# Altium PCB AL1000.PcbDoc (part 2 of 4)
Units mil, origin at the board's own origin, x right, y up, seen from the top; angles counter-clockwise.
Board outline 8277.75 x 4143.89 mil, 4 copper layers (Component Side, Ground Plane, Power Plane, Solder Side), stack 33.234 mil thick; 499 components, 375 nets, 1599 pads, 423 vias.
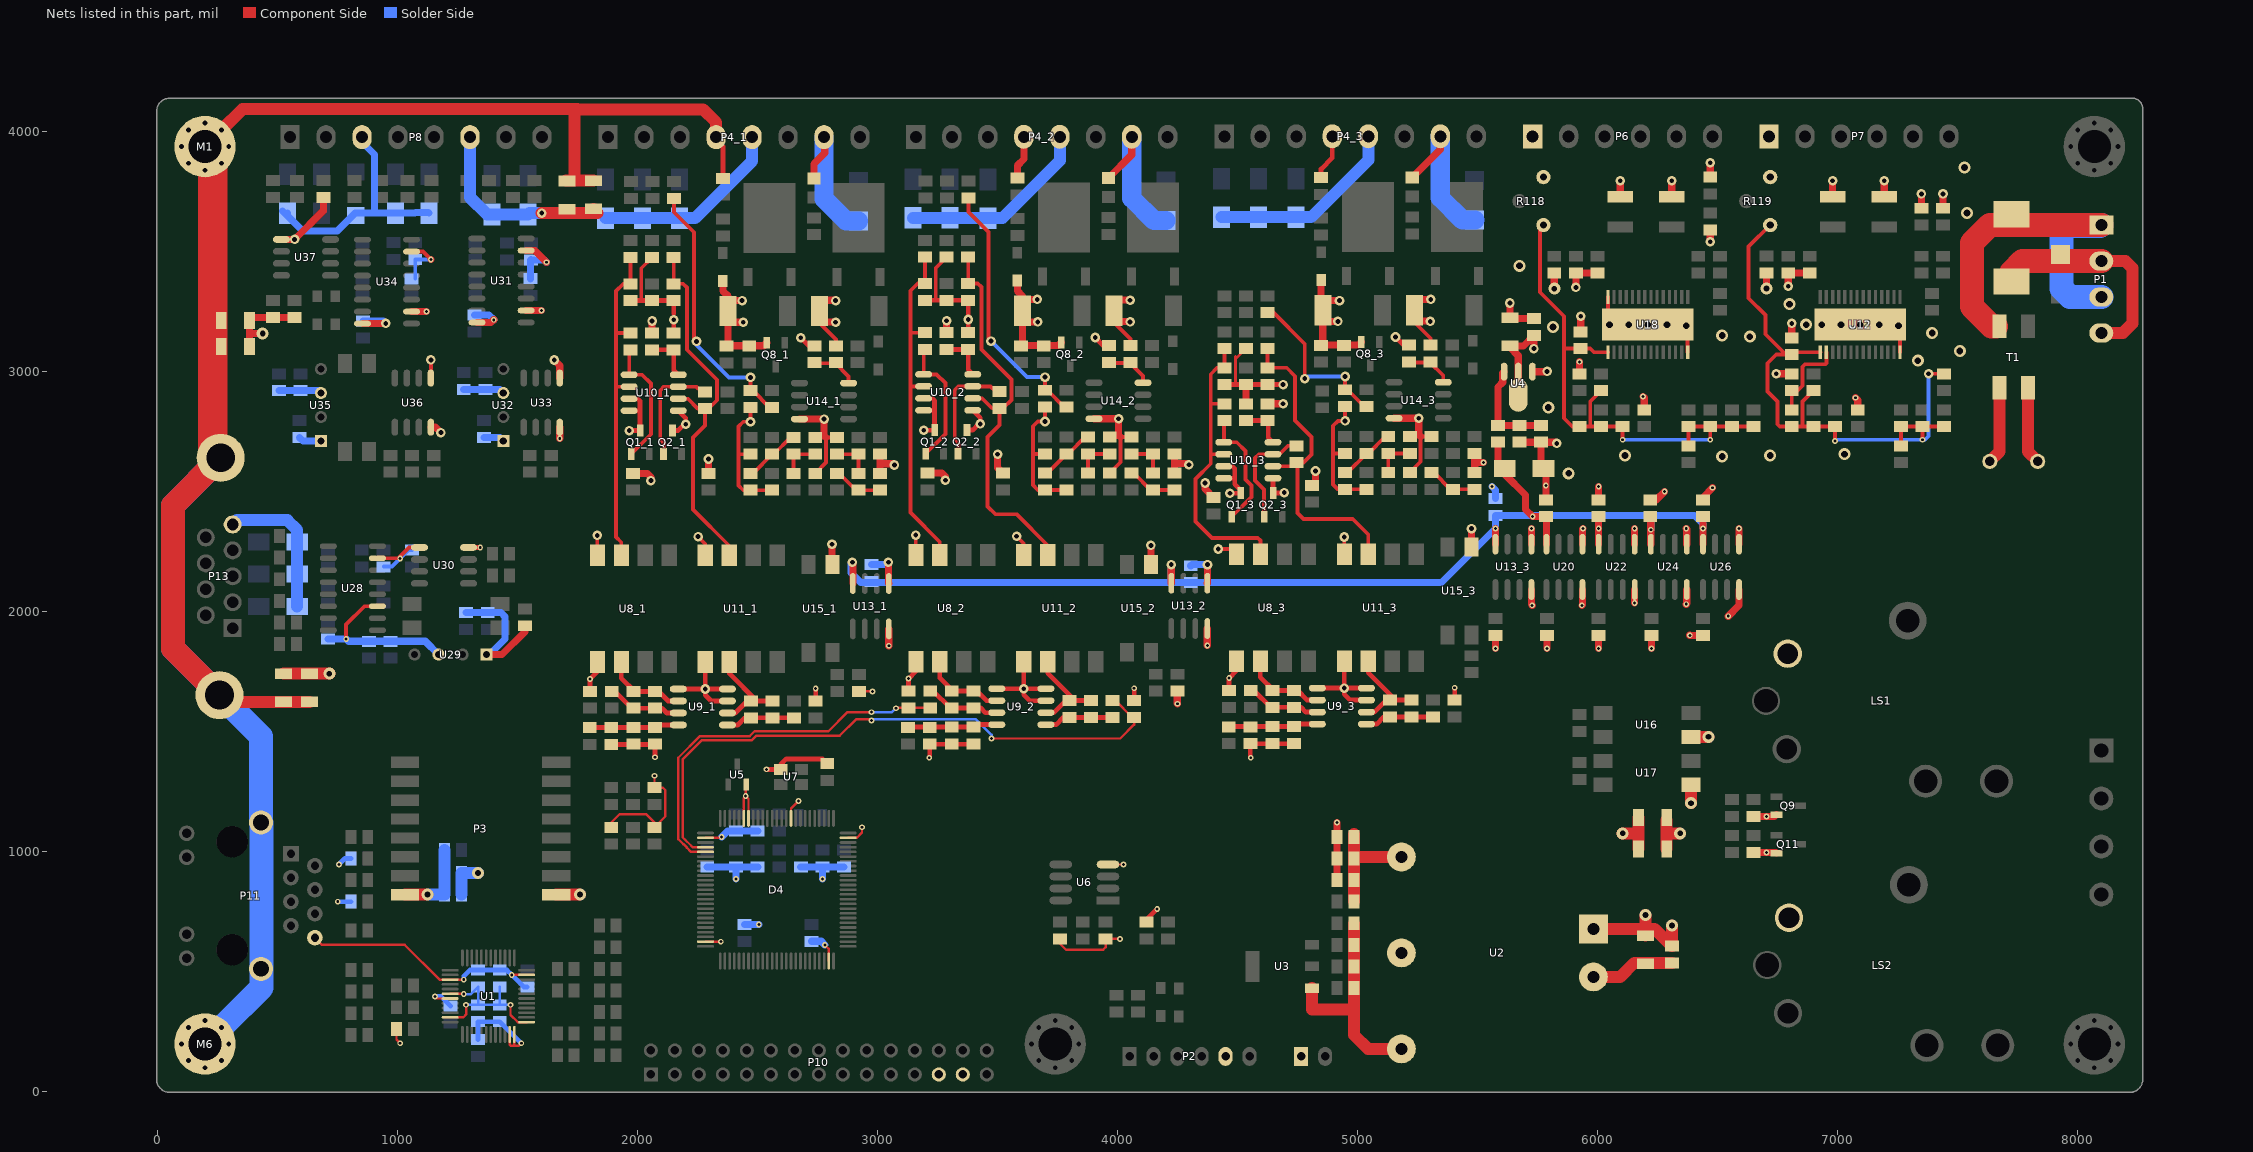
[diagram p4: the nets of this part, all layers, seen from the top]

## Part data
C1 C2 C3 C4 C5 C7 C8 C9 C14 C15 C18 C20 C22 C23 C26 C28 C31 C34 C36_1 C36_2 C36_3 C38_1 C38_2 C38_3 C39_1 C39_2 C39_3 C42_1 C42_2 C42_3 C45_1 C45_2 C45_3 C46_1 C46_2 C46_3 C47_1 C47_2 C47_3 C48_1 C48_2 C48_3 C49_1 C49_2 C49_3 C50 C51_1 C51_2 C51_3 C52_1 C52_2 C52_3 C53_1 C53_2 C53_3 C54_1 C54_2 C54_3 C55_1 C55_2 C55_3 C56_1 C56_2 C56_3 C57 C58 C59 C60 C61 C62 C63 C64 C65 C66 C67 C68 C69 C70 C71 C72 C73 C74 C75 C77 C78 C80 C82 C83 C84 C85 C86 C87 C88 C90 C92 C93 C94 C95 C96 C97 C99 C100 C102 C103 C104 C105 C106 C107 C108 C109 C110 C111 C116: library part "0805 100nF(104) 10% 50V", "贴片电容"
C6 C12 C13 C17 C19 C21 C25 C27 C33 C76 C79 C89 C101: library part "0805 10uF (106) 10% 25V", "贴片电容"
C10 C81 C91 C98: library part Cap, "Capacitor"
C11: library part CD1, "Electrolytic Capacitor"
C16 C24 C37_1 C37_2 C37_3: library part "1206 10uF (106) 10% 50V", "贴片电容"
C29 C30 C35_1 C35_2 C35_3 C40_1 C40_2 C40_3 C43_1 C43_2 C43_3 C44_1 C44_2 C44_3: library part CAP, "Capacitor"
C32: library part G-CC41-0805-CG-50V-300J, "多层瓷介电容"
C41_1 C41_2 C41_3 C112 C113 C114 C115: library part CC, "Capacitor"
D1: library part "SMA(DO-214AC) SS54", "二极管"
D2 D3 D8_1 D8_2 D8_3 D9_1 D9_2 D9_3 D10_1 D10_2 D10_3: library part TVS
D4: library part BARRACUDA_256K
D5 D6 D26 D28: library part Diode, "Default Diode"
D7_1 D7_2 D7_3: library part "SMA(DO-214AC) M7", "二极管"
D11_1 D11_2 D11_3 D13_1 D13_2 D13_3 D25 D27: library part "0805 红灯", "发光二极管"
D12_1 D12_2 D12_3 D14_1 D14_2 D14_3: library part "D Zener", "Zener Diode"
D15 D16 D17 D18 D19 D20 D21 D22 D23 D24: library part "Bidirectional DIODE TVS", "1V5KE6V8CA"
L1 L2 L3 L4 L5_1 L5_2 L5_3 L6_1 L6_2 L6_3 L8_1 L8_2 L8_3 L9_1 L9_2 L9_3 L11 L12 L13 L14 L15 L16 L17: library part L1
M1 M3 M4 M5 M6: "Header, 9-Pin"
P1: library part "Header 4", "Header, 4-Pin"
P2 P6 P7: library part "Header 6", "Header, 6-Pin"
P3: library part "Header 8X2", "Header, 8-Pin, Dual row"
P4_1 P4_2 P4_3 P8: library part "Header 8", "Header, 8-Pin"
P5: library part "Header 4H", "Header, 4-Pin, Right Angle"
P10: "Header, 15-Pin, Dual row"
P11: library part J0011D21B
P12: library part "Header 2", "Header, 2-Pin"
P13: library part DB9
Q1_1 Q1_2 Q1_3 Q2_1 Q2_2 Q2_3 Q8_1 Q8_2 Q8_3 Q9 Q11: library part "SOT-23 MMBT5401 2L", "三极管"
Q4_1 Q4_2 Q4_3 Q7_1 Q7_2 Q7_3: "HEXFET Power MOSFET"
R1 R2 R3 R4 R5 R6 R7 R8 R9 R10 R11 R12 R13 R14 R15 R16 R17 R18 R19 R20 R21 R22 R23 R24 R26 R27 R28 R45 R50 R52 R68 R69 R70 R71 R72 R73 R74 R75 R76 R77 R78 R79 R80 R81 R82 R83 R84 R85 R86 R87 R88 R89 R90 R91 R92 R93 R94 R95 R96 R97 R98 R99 R100 R101 R102 R103 R104 R105 R106 R107 R108 R109 R110 R111 R112 R113 R114 R115 R116 R117 R120 R121 R122 R123 R124: library part Res1, "Resistor"
R25 R30: library part res1, "Resistor"
R29 R31 R32 R51_1 R51_2 R51_3 R55 R66_1 R66_2 R66_3: library part RMK2012KBxxx（10～1M）F, "贴片电阻"
R33_1 R33_2 R33_3 R34_1 R34_2 R34_3 R35_1 R35_2 R35_3 R36_1 R36_2 R36_3 R37_1 R37_2 R37_3 R38_1 R38_2 R38_3 R39_1 R39_2 R39_3 R40_1 R40_2 R40_3 R41_1 R41_2 R41_3 R42_1 R42_2 R42_3 R43_1 R43_2 R43_3 R62_1 R62_2 R62_3 R63_1 R63_2 R63_3 R64_1 R64_2 R64_3 R65_1 R65_2 R65_3 R67_1 R67_2 R67_3: library part Res2, "Resistor"
R44_1 R44_2 R44_3: library part "0805 100Ω (1000) 1%", "贴片电阻"
R46_1 R46_2 R46_3 R47_1 R47_2 R47_3 R49_1 R49_2 R49_3 R54_1 R54_2 R54_3 R56_1 R56_2 R56_3 R57_1 R57_2 R57_3 R58_1 R58_2 R58_3 R61_1 R61_2 R61_3: library part "0805 100KΩ (1003) 1%", "贴片电阻"
R48_1 R48_2 R48_3 R59_1 R59_2 R59_3: library part "0805 5.1KΩ (5101) 1%", "贴片电阻"
R53_1 R53_2 R53_3 R60_1 R60_2 R60_3: library part "0805 10KΩ (1002) 1%", "贴片电阻"
R118 R119: "Potentiometer"
U1: library part DP83848CVVX_[C16688], "接口芯片"
U2: library part 48S5
U3: library part LM1117, "3-Terminal Adjustable Positive Voltage Regulator"
U4: library part "SOT-89 HT7550-1", "低压差线性稳压(LDO)"
U5: "Precision Micropower Shunt Voltage Reference, 3-pin SOT-23"
U6: library part SPI_FLASH
U7: library part SM7745HEV-50.0M
U8_1 U8_2 U8_3 U11_1 U11_2 U11_3: library part HCNR201
U9_1 U9_2 U9_3 U10_1 U10_2 U10_3 U14_1 U14_2 U14_3: library part LM2904D, "Dual Low-Power Operational Amplifier"
U13_1 U13_2 U13_3 U20 U22 U24 U26: "Dual Channel Digital Isolator, 2.5 KV rms Insulation Rating, 1 Mbps Data Rate, 150 ns Delay, Industrial, 8-pin SOIC (R-8), Tube"
U15_1 U15_2 U15_3 U16 U17 U27 U38: library part TLP521
U28 U31 U34: library part MAX232ESE_[C26860], "RS232"
U29 U32 U35: library part MORNSUN-BM, "MORNSUN Fixed input,Isolated,Unregulated Series DC/DC"
U30 U33 U36: library part ADUM1201ARZ-RL7_[C9669], "隔离器"
U37: library part SP485EEN-L/TR_[C6855], "RS-485/RS-422"
Y1: library part "SMD-3215_2P 32.768KHz 20ppm 12.5pF", "贴片晶振"

## Via types
v1: diameter 24, hole 12, Component Side to Solder Side, tented both sides, 191 vias
v2: diameter 40, hole 20, Component Side to Solder Side, 79 vias
v3: diameter 24, hole 12, Component Side to Solder Side, 73 vias
v4: diameter 40, hole 20, Component Side to Solder Side, tented both sides, 29 vias
v5: diameter 50, hole 28, Component Side to Solder Side, 27 vias
v6: diameter 50, hole 24, Component Side to Solder Side, tented both sides, 10 vias
v7: diameter 50, hole 28, Component Side to Solder Side, tented both sides, 10 vias
v8: diameter 50, hole 25, Component Side to Solder Side, 3 vias
v9: diameter 50, hole 24, Component Side to Solder Side, 1 vias

## Nets (pads, with @x,y where several pads share a name; then routed paths per layer and width w, separated by ;. In a path a pad name is that pad's centre, name@x,y a point inside that pad or via, vN(x,y) a via of type N, cw(c..) or ccw(c..) an arc to the next point about the centre after c; other vN are vias at no path point)
3V3_1: C68.1 R52.1 R75.1 R78.1 R79.1 R85.1 R110.1 R112.1 R114.1 R115.1 R118.1 U18.15 | length 2295.8
  Component Side w16: R118.1@5775,3610 5760,3595 5760,3330 5860.08,3229.92 5860.08,3095 ; R75.1@6015,2919.96 5970,2874.96 5970,2769.96 ; U18.15@6044,3080 5985,3080 5970.04,3094.96 C68.1@5930,3094.96 5860.12,3094.96 5860.08,3095 ; v3(6105,2715) R79.1@6105,2769.96 R78.1@6015,2769.96 5970,2769.96 ; R85.1@6380,2690.04 R110.1@6380,2769.96 R112.1@6470,2769.96 ; v3(6470,2715) R112.1@6470,2769.96 ; R115.1@6650,2769.96 R114.1@6560,2769.96 R112.1@6470,2769.96 ; 5860.08,3095 5860.08,2804.88 5895,2769.96 R52.1@5925,2769.96 5970,2769.96
  Solder Side w16: v3(6105,2715) v3(6470,2715)
3V3_2: C67.1 R45.1 R50.1 R74.1 R76.1 R81.1 R84.1 R109.1 R111.1 R113.1 R119.1 U12.15 | length 2662.5
  Component Side w16: R119.1@6720,3610 6630,3520 6630,3305 6700,3235 6700,3155 C67.1@6785.04,3069.96 ; R50.1@6900,2919.96 6855,2874.96 6855,2769.96 ; U12.15@6929,3080 6820.04,3080 C67.1@6810,3069.96 C67.1@6785.04,3069.96 ; v3(6990,2710) R76.1@6990,2769.96 R74.1@6900,2769.96 6855,2769.96 ; R81.1@7265,2690.04 R84.1@7265,2769.96 R109.1@7355,2769.96 ; v3(7355,2715) R109.1@7355,2769.96 ; v2(7380,2990) R113.1@7445,2990 ; R111.1@7445,2769.96 R109.1@7355,2769.96 ; C67.1@6785.04,3069.96 6744.96,3069.96 6709,3034 6709,2916 6750,2875 6750,2780 6760.04,2769.96 R45.1@6810,2769.96 6855,2769.96
  Solder Side w16: v3(6990,2710) 6995,2715 v3(7355,2715) 7365,2715 7380,2730 v2(7380,2990)
5V2: C49_1.2 C49_2.2 C49_3.2 C59.2 C60.2 C61.2 C62.2 D3.1 L2.2 U13_1.8 U13_2.8 U13_3.8 U20.8 U22.8 U24.8 U26.8 | length 5098.9
  Component Side w30: v2(2895,2205) 2896.77,2203.23 U13_1.8@2896.77,2115.91 ; U13_2.8@4224.13,2117.32 v2(4224.13,2195) ; U13_3.8@5575,2280 v3(5575,2345) ; L2.2@5585,2704.96 5585,2603.9 D3.1@5593.9,2595 ; D3.1@5613.9,2595 5613.9,2571.1 5700,2485 5700,2425 v3(5730.04,2394.96) C59.2@5785,2394.96 5787.5,2392.46 U20.8@5787.5,2280 ; U22.8@6005,2280 v3(6005,2345) C61.2@6005,2394.96 ; C62.2@6220,2394.96 6222.5,2392.46 v3(6222.5,2340) U24.8@6222.5,2280 ; U26.8@6440,2280 v3(6440,2345) C60.2@6440,2394.96
  Solder Side w30: v2(2895,2205) 2890,2200 2890,2160 2930.08,2119.92 4225,2119.92 ; v2(4224.13,2195) 4224.13,2120.79 4225,2119.92 ; v3(6005,2345) 6005,2399.96 ; v3(6222.5,2340) 6222.5,2397.46 6220,2399.96 ; v3(6440,2345) 6440,2365 6405.04,2399.96 6220,2399.96 ; 4225,2119.92 C49_2.2@4305,2119.92 5349.92,2119.92 v3(5575,2345) C49_3.2@5575,2399.96 6005,2399.96 ; 6005,2399.96 6220,2399.96
24V+: C11.1 C15.2 C16.2 C23.2 C24.2 C56_1.2 C56_2.2 C56_3.2 D7_1.2 D7_2.2 D7_3.2 D14_1.2 D14_2.2 D14_3.2 P4_1.7 P4_2.7 P4_3.7 Q8_1.2 Q8_2.2 Q8_3.2 Q9.2 Q11.2 R33_1.1 R33_2.1 R33_3.1 R34_1.2 R34_2.2 R34_3.2 R39_1.1 R39_2.1 R39_3.1 R44_1.1 R44_2.1 R44_3.1 R51_1.1 R51_2.1 R51_3.1 R63_1.2 R63_2.2 R63_3.2 R64_1.2 R64_2.2 R64_3.2 R72.2 R73.2 R122.2 R123.2 T1.4 U2.1 U4.2 | length 6098.3
  Component Side w20: v2(2680,3140) 2713.58,3106.42 R44_1.1@2736.77,3106.42 ; v2(3907.36,3141.42) 3940.94,3107.83 R44_2.1@3964.13,3107.83 ; v2(5158.23,3143.62) 5191.81,3110.04 R44_3.1@5215,3110.04
  Component Side w30: R33_1.1@1980,2575.04 2039.96,2575.04 2055,2560 v2(2055,2545) ; R34_1.2@2060,3160.04 v2(2060,3210) ; R39_1.1@2295,2575.04 v2(2295,2635) ; D14_1.2@2355,3376.93 2355,3335 2376.97,3313.03 R63_1.2@2376.97,3251.42 ; R63_1.2@2395,3250 2395,3251.42 R63_1.2@2376.97,3251.42 ; R63_1.2@2400,3205 v2(2440,3205) ; R63_1.2@2410,3295 v2(2435,3295) ; Q8_1.2@2537.6,3119.21 2525.39,3107.01 C56_1.2@2376.97,3107.01 ; R51_1.1@2735,3805 2735,3865 2780,3910 2780,3973.15 P4_1.7@2776.77,3976.38 ; R33_2.1@3207.36,2576.46 3267.32,2576.46 3282.36,2561.42 v2(3282.36,2546.42) ; R34_2.2@3287.36,3161.46 v2(3287.36,3211.42) ; v2(3500,2655) 3500,2598.86 R39_2.1@3522.36,2576.5 ; D14_2.2@3582.36,3378.35 3582.36,3336.42 3604.33,3314.45 R63_2.2@3604.33,3252.83 ; R63_2.2@3622.36,3251.42 3622.36,3252.83 R63_2.2@3604.33,3252.83 ; R63_2.2@3627.36,3206.42 v2(3667.36,3206.42) ; R63_2.2@3633.78,3300 v2(3665,3300) ; Q8_2.2@3764.96,3120.63 3752.76,3108.43 C56_2.2@3604.33,3108.43 ; R51_2.1@3962.36,3806.42 4059.13,3903.19 P4_2.7@4059.13,3977.8 ; v2(4365,2535) 4365,2510.04 R33_3.1@4400,2475.04 ; R34_3.2@4625,2865.04 v2(4690,2865) v2(4690,2865) ; R39_3.1@4810,2525 4825,2540 v2(4825,2585) ; D14_3.2@4848.23,3380.55 4848.23,3262.01 R63_3.2@4855.2,3255.04 ; R63_3.2@4855,3305 R63_3.2@4855.2,3304.8 ; R63_3.2@4873.23,3253.62 4873.23,3255.04 R63_3.2@4855.2,3255.04 ; R63_3.2@4878.23,3208.62 v2(4918.23,3208.62) ; v2(4925,3295) 4865,3295 R63_3.2@4855.2,3304.8 ; Q8_3.2@5015.83,3122.83 5003.62,3110.63 C56_3.2@4855.2,3110.63 ; R51_3.1@5228.23,3808.62 5345,3925.39 P4_3.7@5345,3980 ; U4.2@5670,2900.51 U4.2@5670,2995 5670,3065 5635,3100 C24.2@5635,3106.34 5691.38,3106.34 C23.2@5735,3149.96 v2(5735,3095) ; v9(5820,3345) R122.2@5820,3409.96 ; R73.2@6650,994.96 v1(6705,994.96) 6743.43,994.96 Q11.2@6745.79,992.6 ; R72.2@6650,1144.96 v1(6705,1144.96) 6738.15,1144.96 Q9.2@6745.79,1152.6 ; v8(6705,3345) R123.2@6705,3410 ; C56_1.2@2376.97,3107.01 2375,3105.04 C56_1.2@2370,3105.04 2371.97,3107.01 C56_1.2@2376.97,3107.01 ; C56_1.2@2376.97,3107.01 R63_1.2@2376.97,3251.42 ; C56_2.2@3604.33,3108.43 3602.36,3106.46 C56_2.2@3597.36,3106.46 3599.33,3108.43 C56_2.2@3604.33,3108.43 ; C56_2.2@3604.33,3108.43 R63_2.2@3604.33,3252.83 ; C56_3.2@4855.2,3110.63 4850.2,3110.63 C56_3.2@4848.23,3108.66 4853.23,3108.66 C56_3.2@4855.2,3110.63 ; C56_3.2@4855.2,3110.63 R63_3.2@4855.2,3255.04 ; R63_3.2@4855.2,3255.04 R63_3.2@4855.2,3304.8
  Component Side w50: U2.1@5982.99,676.32 6200,676.32 ; C16.2@6200,648.66 6200,676.32 ; v8(6200,735) 6200,676.32 ; v8(6310,690) C15.2@6310,605.04 6238.72,676.32 6200,676.32 ; T1.4@7793.98,2932 7793.98,2666.03 C11.1@7835,2625
  Solder Side w80: P4_1.7@2776.77,3976.38 2776.77,3720 2869.45,3627.32 D7_1.2@2920,3627.32 ; P4_2.7@4059.13,3977.8 4059.13,3721.42 4151.81,3628.74 D7_2.2@4202.36,3628.74 ; P4_3.7@5345,3980 5345,3723.62 5437.68,3630.94 D7_3.2@5488.23,3630.94
24VIN+: D1.1 D2.2 P1.2 P1.4 | length 952.3
  Component Side w50: P1.4@8100,3160 8189.72,3160 8229.72,3200 8229.72,3430 8199.72,3460 P1.2@8100,3460
  Component Side w100: D2.2@7725,3374.51 7725,3414.51 7770.49,3460 P1.2@8100,3460
24VIN-: D2.1 P1.1 P1.3 T1.2 | length 1564.9
  Component Side w100: T1.2@7660,3188 7642,3188 7560,3270 7560,3535 7635,3610 P1.1@8100,3610
  Solder Side w100: P1.3@8100,3310 7970,3310 7935,3345 7935,3585 7955,3605 8095,3605 P1.1@8100,3610
GND: C1.2 C2.2 C3.2 C4.2 C5.2 C6.1 C7.2 C8.2 C9.2 C10.1 C12.1 C13.1 C14.1 C17.1 C18.1 C19.1 C20.1 C25.1 C26.2 C27.1 C28.2 C29.1 C30.2 C31.1 C32.1 C33.1 C34.2 C37_1.1 C37_2.1 C37_3.1 C38_1.1 C38_2.1 C38_3.1 C39_1.1 C39_2.1 C39_3.1 C42_1.1 C42_2.1 C42_3.1 C46_1.1 C46_2.1 C46_3.1 C48_1.1 C48_2.1 C48_3.1 C57.2 C63.1 C64.1 C65.1 C66.1 C76.1 C77.2 C87.2 C99.2 C103.1 C104.1 C105.1 C116.1 D4.10 D4.19 D4.20 D4.27 D4.49 D4.74 D4.99 P2.5 P3.9 P10.25 P10.27 P11.8 P12.1 R23.1 R24.1 R30.2 R31.2 R32.2 R55.2 R86.1 U1.15 U1.19 U1.35 U1.36 U1.47 U2.3 U3.1 U5.2 U6.4 U7.2 U8_1.5 U8_2.5 U8_3.5 U9_1.3 U9_1.4 U9_1.5 U9_2.3 U9_2.4 U9_2.5 U9_3.3 U9_3.4 U9_3.5 U11_1.5 U11_2.5 U11_3.5 U13_1.4 U13_2.4 U13_3.4 U20.4 U22.4 U24.4 U26.4 U29.1 U30.4 U32.1 U33.4 U35.1 U36.4 | length 10598
  Component Side w10: P11.8@655,640 685,610 1029.09,610 1173.85,465.24 U1.15@1218.54,465.24 1274.76,465.24 v1(1275,465) ; R23.1@994.96,260 994.96,215.04 v1(1010,200) ; v1(1155,395) 1163.5,386.5 U1.19@1218.54,386.5 ; U1.35@1466.57,236.89 1466.57,193.88 1470.46,190 1486.26,190 ; v1(1475.08,484.92) U1.47@1537.44,484.92 ; U1.36@1486.26,236.89 1486.26,190 ; v1(1515,200) 1505,190 1486.26,190 ; R32.2@1890,1100.04 1890,1120 1925,1155 2035,1155 2070,1120 R31.2@2070,1100.04 2115,1145.04 2115,1255 2104.96,1265.04 R55.2@2070,1265.04 v1(2070,1315) ; D4.49@2282.76,623.46 v1(2346.54,623.46) ; D4.27@2282.76,1056.54 2346.54,1056.54 v1(2350,1060) ; D4.20@2442.2,1137.24 2442.2,1222.2 v1(2450,1230) ; U5.2@2452.4,1278.66 2450,1276.26 v1(2450,1230) ; D4.19@2461.89,1137.24 2461.89,1218.11 v1(2450,1230) ; D4.10@2639.06,1137.24 2639.06,1179.06 v1(2670,1210) ; v1(2780,610) 2796.54,593.46 D4.74@2796.54,542.76 ; D4.99@2877.24,1056.54 2913.66,1056.54 2935,1077.88 v1(2935,1100) ; C48_1.1@2921.77,1666.38 v1(2978.62,1666.38) v1@2980,1665 ; C31.1@3760,634.96 3760,615 3785,590 3940,590 3950,600 R30.2@3950,634.92 v1(4009.92,634.92) ; U6.4@3960,945 v1(4025,945)
  Component Side w20: U30.4@1295.35,2266.34 v1(1343.66,2266.34) ; C42_1.1@1801.77,1666.46 v1(1801.77,1718.23) 1831.77,1748.23 U8_1.5@1831.77,1788.98 ; C39_1.1@1890,1444.96 2070.35,1444.96 C37_1.1@2071.77,1446.38 v1(2071.77,1391.77) ; U9_1.5@2169.41,1676.42 v4(2281.77,1676.42) ; U11_1.5@2281.77,1788.98 v4(2281.77,1676.42) ; U9_1.3@2374.13,1626.42 2306.77,1626.42 2281.77,1651.42 v4(2281.77,1676.42) ; U9_1.4@2374.13,1676.42 v4(2281.77,1676.42) ; v1(2536.5,1341.5) U7.2@2596.69,1341.5 2596.69,1361.69 2620,1385 2770.04,1385 C32.1@2790,1365.04 ; C46_1.1@2741.77,1626.46 v1(2741.77,1678.23) ; C42_2.1@3129.13,1667.87 v1(3129.13,1719.65) 3159.13,1749.65 U8_2.5@3159.13,1790.39 ; v3(3215,1390) 3217.36,1392.36 C39_2.1@3217.36,1446.38 3397.72,1446.38 C37_2.1@3399.13,1447.8 ; U9_2.5@3496.77,1677.83 v4(3609.13,1677.83) ; U11_2.5@3609.13,1790.39 v4(3609.13,1677.83) ; U9_2.3@3701.5,1627.83 3634.13,1627.83 3609.13,1652.83 v4(3609.13,1677.83) ; U9_2.4@3701.5,1677.83 v4(3609.13,1677.83) ; C46_2.1@4069.13,1627.87 v1(4069.13,1679.65) ; C116.1@4120,705.04 4120,715 v3(4165,760) ; C42_3.1@4465,1670.08 v1(4465,1721.85) 4495,1751.85 U8_3.5@4495,1792.6 ; v3(4555,1390) 4553.23,1391.77 C39_3.1@4553.23,1448.58 4733.58,1448.58 C37_3.1@4735,1450 ; U9_3.5@4832.64,1680.04 v4(4945,1680.04) ; U11_3.5@4945,1792.6 v4(4945,1680.04) ; U9_3.3@5037.36,1630.04 4970,1630.04 4945,1655.04 v4(4945,1680.04) ; U9_3.4@5037.36,1680.04 v4(4945,1680.04) ; C46_3.1@5405,1630.08 v1(5405,1681.85)
  Component Side w30: U36.4@1137.99,2767.64 1157.36,2767.64 v4(1180,2745) ; U29.1@1370,1820 1435,1820 1530,1915 R86.1@1530,1939.96 ; v1(1675,2720.87) U33.4@1675,2767.64 ; v1(3046.77,1856.77) U13_1.4@3046.77,1926.93 ; C48_2.1@4249.13,1667.8 4249.13,1615.87 v3(4250,1615) ; v1(4374.13,1858.19) U13_2.4@4374.13,1928.35 ; C14.1@4914.96,880 C13.1@4914.96,970 C12.1@4914.96,1060 v1(4914.96,1119.96) ; v3(5575,1845) C48_3.1@5575,1899.96 ; U13_3.4@5725,2091.02 5725,2028 v3(5728,2025) ; C63.1@5789.96,1900 C63.1@5790,1899.96 v3(5790,1845) ; v3(5935,2025) 5937.5,2027.5 U20.4@5937.5,2091.02 ; v3(6005,1845) C64.1@6005,1899.96 ; v3(6155,2035) U22.4@6155,2091.02 ; v3(6225,1845) C65.1@6225,1899.96 ; v3(6370,2030) 6372.5,2032.5 U24.4@6372.5,2091.02 ; v3(6385,1900) 6385.04,1899.96 C66.1@6440,1899.96 ; v3(6545,1980) 6590,2025 U26.4@6590,2091.02
  Component Side w50: P3.9@1659.96,819.41 v6(1759.41,819.41) ; U3.1@4810,430 4810,340 4985.04,340 ; C17.1@4985.04,700 C18.1@4985.04,610 C19.1@4985.04,520 C20.1@4985.04,430 4985.04,340 ; U2.3@5182.99,176.32 5043.68,176.32 4985.04,234.96 4985.04,340 ; v6(6105,1075) 6171.34,1075 ; C10.1@6171.34,1010 6171.34,1075 ; R24.1@6171.34,1140 6171.34,1075
  Solder Side w20: v1(750,790) C1.2@804.96,790 ; v1(755,945) 780,970 C2.2@804.96,970 ; v1(1155,395) 1180.04,395 C8.2@1220,355.04 ; v1(1275,465) 1275,480 1300.04,505.04 C6.1@1335,505.04 C5.2@1425,505.04 1454.96,505.04 v1(1475.08,484.92) 1525.04,434.96 C9.2@1540,434.96 ; C7.2@1335,215.04 C3.2@1335,289.96 C4.2@1425,289.96 ; C4.2@1425,289.96 v1(1515,200)
  Solder Side w30: C99.2@590,2724.96 604.96,2710 U35.1@680,2710 ; C76.1@1285,1995.04 C77.2@1375,1995.04 1429.96,1995.04 1447.5,1977.5 1447.5,1885 1382.5,1820 U29.1@1370,1820 ; C87.2@1360,2724.96 1425.04,2724.96 U32.1@1440,2710 ; C103.1@2290,934.96 C28.2@2410,934.96 ; v1(2350,1060) 2374.96,1084.96 C26.2@2410,1084.96 C25.1@2500,1084.96 ; v1(2410,885) C28.2@2410,934.96 ; C57.2@2445,695.04 v1(2504.96,695.04) ; C27.1@2500,934.96 C28.2@2410,934.96 ; C29.1@2680,934.96 C30.2@2770,934.96 ; C104.1@2725,624.96 2765.04,624.96 v1(2780,610) ; v1(2770,885) C30.2@2770,934.96 ; C105.1@2860,934.96 C30.2@2770,934.96
  Solder Side w50: C33.1@1265.04,820 C34.2@1265.04,910 v6(1335,910)
GND24V: C10.2 C11.2 C15.1 C16.1 C21.1 C22.1 C23.1 C24.1 C36_1.1 C36_2.1 C36_3.1 C41_1.1 C41_2.1 C41_3.1 C45_1.1 C45_2.1 C45_3.1 C47_1.1 C47_2.1 C47_3.1 C49_1.1 C49_2.1 C49_3.1 C50.2 C51_1.1 C51_2.1 C51_3.1 C52_1.1 C52_2.1 C52_3.1 C53_1.1 C53_2.1 C53_3.1 C54_1.1 C54_2.1 C54_3.1 C55_1.1 C55_2.1 C55_3.1 C58.2 C59.1 C60.1 C61.1 C62.1 C67.2 C68.2 C81.2 C91.2 C98.2 C108.1 C109.1 C110.1 C111.1 C112.1 C113.1 C114.1 C115.1 D3.2 D8_1.1 D8_2.1 D8_3.1 D9_1.1 D9_2.1 D9_3.1 D10_1.1 D10_2.1 D10_3.1 LS1.5 LS2.5 M1.1 M1.2 M1.3 M1.4 M1.5 M1.6 M1.7 M1.8 M1.9 M6.1 M6.2 M6.3 M6.4 M6.5 M6.6 M6.7 M6.8 M6.9 P4_1.4 P4_1.5 P4_2.4 P4_2.5 P4_3.4 P4_3.5 P6.1 P7.1 P11.13 P11.14 P13.10 P13.11 Q1_1.3 Q1_2.3 Q1_3.3 Q2_1.3 Q2_2.3 Q2_3.3 R24.2 R38_1.1 R38_2.1 R38_3.1 R43_1.1 R43_2.1 R43_3.1 R53_1.2 R53_2.2 R53_3.2 R54_1.2 R54_2.2 R54_3.2 R60_1.2 R60_2.2 R60_3.2 R61_1.2 R61_2.2 R61_3.2 R62_1.1 R62_2.1 R62_3.1 R66_1.2 R66_2.2 R66_3.2 R77.2 R80.2 R82.1 R83.1 R93.2 R98.2 R103.2 R116.1 R117.1 R118.3 R119.3 T1.3 U2.2 U4.1 U8_1.4 U8_2.4 U8_3.4 U10_1.3 U10_1.4 U10_1.5 U10_2.3 U10_2.4 U10_2.5 U10_3.3 U10_3.4 U10_3.5 U11_1.4 U11_2.4 U11_3.4 U12.28 U12.29 U13_1.5 U13_2.5 U13_3.5 U14_1.4 U14_2.4 U14_3.4 U15_1.3 U15_2.3 U15_3.3 U16.3 U17.3 U18.14 U18.28 U18.29 U20.5 U22.5 U24.5 U26.5 | length 25085.2
  Component Side w12: 4491.77,2945 4491.77,3051.81 ; 4491.77,3061.73 4491.77,3051.81 ; R38_3.1@4535,3095.04 4491.77,3051.81
  Component Side w16: U8_1.4@1831.77,2233.86 v4(1831.77,2316.38) ; 2015,3294.96 2015,3429.92 R38_1.1@2060,3474.92 ; v4(2251.73,2311.38) 2281.77,2281.34 U11_1.4@2281.77,2233.86 ; R53_1.2@2470,2654.96 2424.96,2654.96 2420,2650 ; C53_1.1@2470,2849.96 v2(2470,2790) 2440,2790 2420,2770 2420,2650 ; R54_1.2@2560,2504.96 C52_1.1@2470,2504.96 2440.04,2504.96 2420,2525 2420,2650 ; R61_1.2@2740,2575.04 2785,2620.04 2785,2725.04 ; C51_1.1@2740,2725.04 2785,2725.04 ; R62_1.1@2758.31,3251.42 2758.31,3206.42 2758.31,3201.69 2826.77,3133.23 C47_1.1@2826.77,3106.42 ; C55_1.1@2830,2725.04 2785,2725.04 ; U8_2.4@3159.13,2235.28 v4(3159.13,2317.8) ; 3242.36,3296.38 3242.36,3431.34 R38_2.1@3287.36,3476.34 ; v4(3579.09,2312.8) 3609.13,2282.76 U11_2.4@3609.13,2235.28 ; R53_2.2@3697.36,2656.38 3652.32,2656.38 3647.36,2651.42 ; C53_2.1@3697.36,2851.38 v2(3697.36,2791.42) 3667.36,2791.42 3647.36,2771.42 3647.36,2651.42 ; R54_2.2@3787.36,2506.38 C52_2.1@3697.36,2506.38 3667.4,2506.38 3647.36,2526.42 3647.36,2651.42 ; R61_2.2@3967.36,2576.46 4012.36,2621.46 4012.36,2726.46 ; C51_2.1@3967.36,2726.46 4012.36,2726.46 ; R62_2.1@3985.67,3252.83 3985.67,3207.83 3985.67,3203.11 4054.13,3134.65 C47_2.1@4054.13,3107.83 ; C55_2.1@4057.36,2726.46 4012.36,2726.46 ; v4(4420,2260) 4472.48,2260 U8_3.4@4495,2237.48 ; U11_3.4@4945,2237.48 v4(4945,2310) ; R53_3.2@4948.23,2658.58 4903.19,2658.58 4898.23,2653.62 ; C53_3.1@4948.23,2853.58 v2(4948.23,2793.62) 4918.23,2793.62 4898.23,2773.62 4898.23,2653.62 ; R54_3.2@5038.23,2508.58 C52_3.1@4948.23,2508.58 4918.27,2508.58 4898.23,2528.62 4898.23,2653.62 ; R61_3.2@5218.23,2578.66 5263.23,2623.66 5263.23,2728.66 ; C51_3.1@5218.23,2728.66 5263.23,2728.66 ; R62_3.1@5236.54,3255.04 5236.54,3210.04 5236.54,3205.32 5305,3136.85 C47_3.1@5305,3110.04 ; C55_3.1@5308.23,2728.66 5263.23,2728.66 ; U18.14@6044,3310 6044,3246 6095,3195 v5(6130,3195) v5(6210,3195) v5(6290,3195) 6320,3195 6376,3139 U18.28@6376,3080 ; U12.29@6929,3246 6980,3195 v5(7015,3195) v5(7095,3195) v5(7175,3195) 7205,3195 7261,3139 U12.28@7261,3080